# KiCad board nixie_clock_cpu.kicad_pcb (continued)
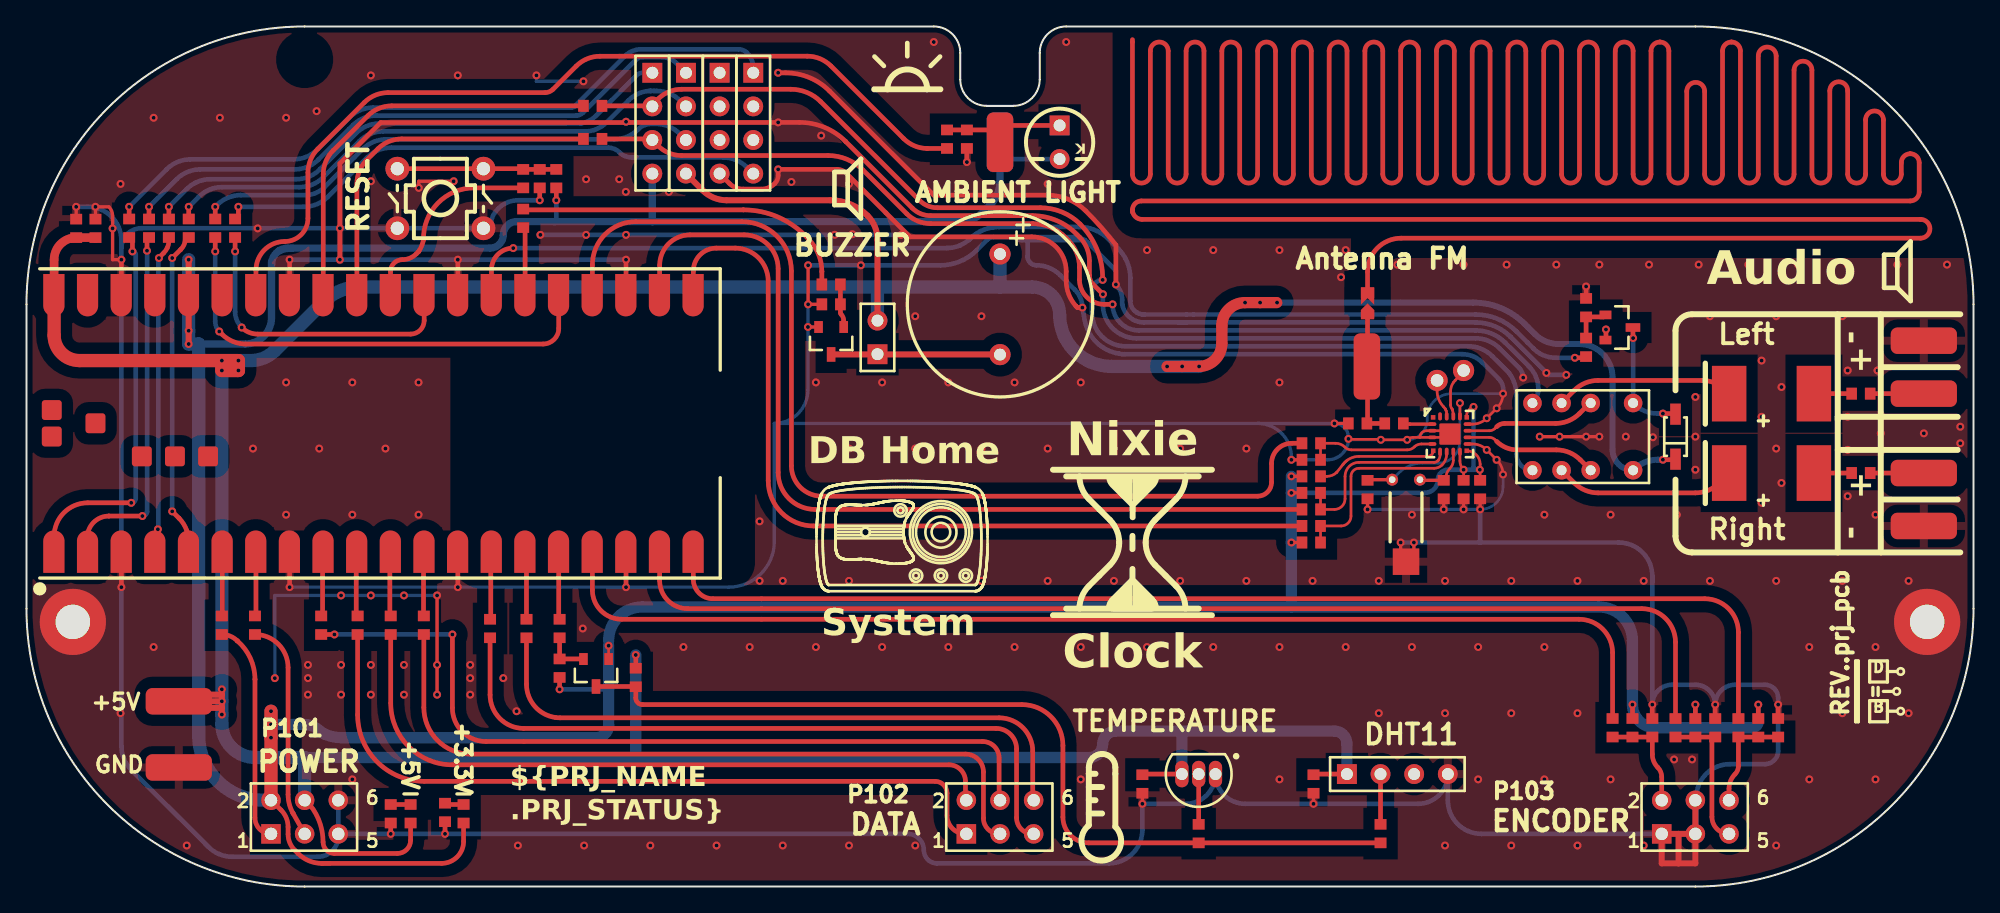
[diagram p0: board, top side]
## Routing (per net, layer and track width the routed paths; a pad name or vN(x,y) marks a point on that pad's centre or on a via; arc(x,y) is an arc through that point) (continued)
  Bottom Layer w0.35: 74.6,49.08 73.01,49.08 arc(72.75,49.03) 72.53,48.88 71.72,48.07 arc(70.48,47.24) 69.02,46.95 v1(63,46.95) v1(59.01,46.95) ; 74.6,49.08 79.07,49.08 arc(79.5,49.02) 79.89,48.85 ; 74.6,49.08 arc(74.85,48.91) 75.15,48.85 75.58,48.85 ; 87,42.63 109.41,42.63 arc(110.84,42.35) 112.06,41.53 114.75,38.84 v1(114.75,38.82) arc(114.79,38.71) 114.9,38.67 v1(116.25,38.67) ; 87,42.63 84.37,42.63 arc(83.29,43.03) 82.73,44.02 82.73,44.35 arc(82.6,44.97) v1(82.25,45.5) 82.25,46.56 80.2,48.61 arc(80.05,48.74) 79.9,48.85 ; 87,42.63 87.57,42.63 ; 75.58,48.85 79.89,48.85 ; 75.58,48.85 75.58,47.62 arc(75.77,47.15) 76.25,46.95 arc(77.22,46.76) 78.04,46.21 79.17,45.08 arc(79.58,44.47) v1(79.72,43.75) 79.9,42.79 arc(80.79,41.12) 82.49,40.27 82.74,40.23 108.41,40.23 arc(109.23,40.07) 109.92,39.61 111.14,38.38 arc(111.45,37.86) 111.48,37.25 v1(111.48,37.25) ; 79.89,48.85 79.9,48.85 ; 79.89,48.85 arc(79.89,48.85) 79.9,48.85 ; P101.5 23.54,3.79 arc(23.09,2.7) 22,2.25 15.53,2.25 arc(14.56,2.44) 13.74,2.99 7.91,8.82 arc(7.36,9.65) 7.17,10.62 v1(7.17,22.62) v1(7.17,47.38) 7.17,48.25 ; P101.5 v1(27.5,3.98) v1(31.6,3.98) 66.52,3.98 arc(67.39,3.62) 67.75,2.75 arc(68.04,2.04) 68.75,1.75 81.71,1.75 arc(83.51,2.49) 84.25,4.29 v1(84.25,6.25) 87.52,6.25 arc(89.11,6.91) U102.1 arc(90.43,6.91) 92.02,6.25 v1(97.17,6.25) 105.06,6.25 arc(106.65,6.91) P100.4 107.31,6.52 arc(108.05,4.72) 109.85,3.98 P103.1 P103.3 126.07,3.98 126.07,6.71 arc(126.81,8.51) 128.61,9.25 131.25,9.25 arc(131.96,9.54) 132.25,10.25 v1(132.25,13.75) 132.25,14.25 arc(131.96,14.96) 131.25,15.25 129,15.25 arc(127.94,14.81) v1(127.5,13.75) arc(127.06,14.81) 126,15.25 124.25,15.25 arc(123.19,14.81) v1(122.75,13.75) 122.75,23.46 ; P101.5 P101.6 ; 7.17,48.25 7.17,48.83 arc(6.42,50.63) 4.63,51.37 v1(3.75,51.37) ; 7.16,48.25 arc(7.6,49.31) 8.66,49.75 v1(23.66,49.75) S3.2 S3.1 34.8,49.75 34.89,49.82 arc(34.93,49.86) 34.97,49.9 35,49.96 35.02,50.02 arc(35.02,50.03) 35.03,50.05 arc(35.73,51.35) 37.12,51.87 v1(38.75,51.87) ; v1(81.27,44.76) 81.27,43.97 arc(82.02,42.18) 83.81,41.43 109.41,41.43 arc(110.38,41.24) 111.21,40.69 112.69,39.2 arc(112.92,38.86) v1(113,38.46) ; 122.75,23.46 122.75,23 ; 122.75,23.46 arc(122.01,25.26) 120.21,26 109.75,26 ; 109.75,26 v1(109.75,28.5) ; 109.75,26 v1(104.75,26) v1(103.75,26) ; v1(66.03,49.25) 66.03,49.25 v1(42.25,49.25) 38.8,49.25 v1(38.8,49.25) ; v1(19.87,47.38) v1(23.66,47.38) v1(32.57,47.38) v1(45.27,47.38)
  vias: v1(7.1,53.1) v1(7.1,13.1) v1(9.6,58.1) v1(9.6,18.1) v1(12.1,3.1) v1(14.6,58.1) v1(17.1,33.1) v1(17.46,49.74) v1(19.6,58.1) v1(19.6,38.1) v1(19.6,28.1) v1(21.25,16.75) v1(21.25,15.75) v1(21.25,14.5) v1(21.9,58.6) v1(22.1,33.1) v1(23.75,16.75) v1(23.75,14.5) v1(24.6,38.1) v1(24.6,28.1) v1(24.6,8.1) v1(26,61.3) v1(26,53.3) v1(26,16.75) v1(26,14.5) v1(27.1,33.1) v1(28.5,16.75) v1(28.5,14.5) v1(29.6,38.1) v1(29.6,28.1) v1(32.57,61.3) v1(33.5,16.75) v1(33.5,15.75) v1(33.5,14.5) v1(36,15.75) v1(37,13.25) v1(37.1,3.1) v1(38.5,61.3) v1(42,19.5) v1(42.1,3.1) v1(42.25,53.46) v1(44.75,53.46) v1(45.25,52.5) v1(45.27,49.25) v1(47.1,3.1) v1(48.5,52.5) v1(49.6,18.1) v1(52.1,3.1) v1(54.6,18.1) v1(55.35,27.6) v1(55.35,23.1) v1(57.1,23.1) v1(57.1,3.1) v1(57.75,53.25) v1(59.6,38.1) v1(59.6,18.1) v1(60,56.75) v1(61.02,49.26) v1(62.1,53.1) v1(62.1,33.1) v1(62.1,23.1) v1(62.1,3.1) v1(62.35,49.3) v1(64.6,38.1) v1(64.6,18.1) v1(67.1,43.1) v1(67.1,33.1) v1(67.1,23.1) v1(67.1,3.1) v1(68.5,63.83) v1(69.6,38.1) v1(69.6,18.1) v1(72.1,43.1) v1(72.1,33.1) v1(72.1,23.1) v1(74.6,38.1) v1(74.6,18.1) v1(77.1,53.1) v1(77.1,33.1) v1(77.1,23.1) v1(78.5,63.83) v1(79.6,38.1) v1(79.6,18.1) v1(79.6,8.1) v1(82.1,33.1) v1(82.1,23.1) v1(84.6,48.1) v1(84.6,18.1) v1(87.1,33.1) v1(87.1,23.1) v1(89.6,48.1) v1(89.6,18.1) v1(92.1,33.1) v1(92.1,23.1) v1(94.6,48.1) v1(94.6,38.1) v1(94.6,18.1) v1(94.6,8.1) v1(97.1,23.1) v1(99.25,46.05) v1(99.6,48.1) v1(99.6,18.1) v1(102.1,23.1) v1(102.1,13.1) v1(103.5,47) v1(104.6,28.1) v1(104.6,18.1) v1(107.1,23.1) v1(107.1,13.1) v1(107.1,3.1) v1(108.5,47) v1(109.6,18.1) v1(109.6,8.1) v1(111.75,47) v1(112.1,23.1) v1(112.1,13.1) v1(112.1,3.1) v1(114.6,28.1) v1(114.6,18.1) v1(114.6,8.1) v1(115.5,47) v1(117.1,23.1) v1(117.1,13.1) v1(117.1,3.1) v1(118.75,47) v1(119.6,28.1) v1(119.6,8.1) v1(120.75,34) v1(122.1,23.1) v1(122.1,3.1) v1(122.5,47) v1(122.79,33.95) v1(124.39,9.6) v1(124.6,28.1) v1(125.75,9.6) v1(126,37) v1(126,34) v1(126,31.5) v1(126.25,47) v1(127.1,43.1) v1(127.1,23.1) v1(130,47) v1(131,39.75) v1(131,35.5) v1(131,29) v1(132.1,43.1) v1(132.1,33.1) v1(132.1,23.1) v1(132.1,3.1) v1(132.5,37.75) v1(132.5,30.5) v1(133.75,47) v1(134.6,18.1) v1(134.6,8.1) v1(137.1,43.1) v1(137.1,23.1) v1(137.1,13.1) v1(137.5,47) v1(137.5,39) v1(137.5,35.5) v1(137.5,33) v1(137.5,29.5) v1(139.6,28.1) v1(139.6,18.1) v1(139.6,8.1) v1(139.75,39) v1(140,34.25) v1(141.25,47) v1(142.1,23.1) v1(142.1,13.1) v1(143.25,34.25) v1(145,47) v1(146,34.75) v1(146,33.5)
1WIRE_SENSOR: length 3.4
  Top Layer w0.35: R105.2 R128.2 42.05,17.2 Q1.2
A: length 8
  Top Layer w0.35: C106.2 R116.2 R110.2 129.25,9.1 arc(129.19,8.78) 129,8.5 arc(128.66,7.99) 128.54,7.39 P103.6
AMB_LIGHT: length 9.5
  Top Layer w0.35: R107.1 R134.1 72.7,57.18 73.5,56.38 NOREF#7.amb ; 73,57.52 D100.2
B: length 8
  Top Layer w0.35: R112.2 R115.2 C105.2 122.75,10 arc(122.86,9.46) 123.16,9 arc(123.38,8.67) 123.46,8.28 P103.2
BACK_LIGHT_DATA: length 17
  Top Layer w0.35: P101.1 arc(17.6,4.33) 17.25,5.19 17.25,15.66 arc(16.9,17.25) 15.92,18.56 arc(15.92,18.57) 15.91,18.57 15.91,18.57 arc(15.38,18.93) R100.2
BUZZER: length 25.7
  Top Layer w0.35: R130.1 60.05,46.48 arc(59.79,47.81) 59.04,48.93 arc(59.04,48.93) 59.03,48.94 arc(56.81,50.56) 54.12,51.14 37.64,51.14
FM_ANTENNA: length 638.8
  Top Layer w0.35: 83.5,64 83.5,53.84 arc(84.18,53.16) 84.85,53.84 84.85,63.15 arc(85.52,63.82) 86.2,63.15 86.2,53.84 arc(86.87,53.16) 87.55,53.84 87.55,63.15 arc(88.22,63.82) 88.9,63.15 88.9,53.84 arc(89.58,53.16) 90.25,53.84 90.25,63.15 arc(90.92,63.82) 91.6,63.15 91.6,53.84 arc(92.27,53.16) 92.95,53.84 92.95,63.15 arc(93.62,63.82) 94.3,63.15 94.3,53.84 arc(94.97,53.16) 95.65,53.84 95.65,63.15 arc(96.32,63.82) 97,63.15 97,53.84 arc(97.67,53.16) 98.35,53.84 98.35,63.15 arc(99.02,63.82) 99.7,63.15 99.7,53.84 arc(100.37,53.16) 101.05,53.84 101.05,63.15 arc(101.72,63.82) 102.4,63.15 102.4,53.84 arc(103.07,53.16) 103.75,53.84 103.75,63.15 arc(104.42,63.82) 105.1,63.15 105.1,53.84 arc(105.77,53.16) 106.45,53.84 106.45,63.15 arc(107.12,63.82) 107.8,63.15 107.8,53.84 arc(108.47,53.16) 109.15,53.84 109.15,63.15 arc(109.82,63.82) 110.5,63.15 110.5,53.84 arc(111.17,53.16) 111.85,53.84 111.85,63.15 arc(112.52,63.82) 113.2,63.15 113.2,53.84 arc(113.87,53.16) 114.55,53.84 114.55,63.15 arc(115.22,63.82) 115.9,63.15 115.9,53.84 arc(116.57,53.16) 117.25,53.84 117.25,63.15 arc(117.92,63.82) 118.6,63.15 118.6,53.84 arc(119.27,53.16) 119.95,53.84 119.95,63.15 arc(120.62,63.82) 121.3,63.15 121.3,53.84 arc(121.97,53.16) 122.65,53.84 122.65,63.15 arc(122.85,63.63) 123.32,63.82 arc(123.8,63.63) 124,63.15 124,53.84 arc(124.67,53.16) 125.35,53.84 125.35,60.1 arc(126.02,60.78) 126.7,60.1 126.7,53.84 arc(127.37,53.16) 128.05,53.84 128.05,63.15 arc(128.25,63.63) 128.72,63.82 arc(129.2,63.63) 129.4,63.15 129.4,53.84 arc(130.07,53.16) 130.75,53.84 130.75,62.77 arc(131.42,63.45) 132.1,62.77 132.1,53.84 arc(132.77,53.16) 133.45,53.84 133.45,61.7 arc(134.12,62.38) 134.8,61.7 134.8,53.84 ; JP100.2 101.25,46.46 arc(101.99,48.26) 103.79,49 143,49 arc(143.71,49.71) 143,50.42 84.22,50.42 arc(83.71,50.63) 83.5,51.14 ; 83.5,50.96 83.5,51.14 ; 83.5,51.14 arc(83.7,51.61) 84.17,51.81 142.22,51.81 arc(142.7,52.01) 142.9,52.49 142.9,54.71 arc(142.7,55.18) 142.22,55.38 arc(141.75,55.18) 141.55,54.71 141.55,53.84 arc(140.87,53.16) 140.2,53.84 140.2,57.94 arc(139.52,58.61) 138.85,57.94 138.85,53.84 arc(138.17,53.16) 137.5,53.84 137.5,60.15 arc(136.82,60.82) 136.15,60.15 136.15,53.84 arc(135.47,53.16) 134.8,53.84
FRONT_LIGHT_DATA: length 16.8
  Top Layer w0.35: P101.3 20.99,4 20.12,5.54 arc(19.84,6.22) 19.75,6.95 19.75,16.55 arc(19.02,18.32) R101.2
GP0: length 53.8
  Top Layer w0.35: R139.2 v1(7.75,51.37)
  Bottom Layer w0.35: 21.95,55.7 24.38,58.13 arc(25.2,58.68) 26.18,58.87 41.14,58.87 arc(41.27,58.9) 41.39,58.97 45.17,62.76 arc(45.74,63.14) 46.42,63.28 53.76,63.28 arc(54.1,63.21) 54.4,63.01 arc(54.64,62.7) 54.8,62.35 arc(54.85,62.11) 54.87,61.87 P108.1 ; v1(7.75,51.37) 10.59,54.21 arc(11.42,54.76) 12.39,54.96 20.16,54.96 arc(21.13,55.15) 21.95,55.7
GP1: length 46.2
  Top Layer w0.35: R140.2 v1(9.25,51.37)
  Bottom Layer w0.35: v1(9.25,51.37) 11.34,53.46 arc(12.16,54.01) 13.13,54.2 20.25,54.2 arc(21.22,54.39) 22.05,54.94 24.63,57.53 arc(25.45,58.08) 26.42,58.27 41.55,58.27 arc(41.57,58.27) 41.59,58.27 arc(41.81,58.34) 42,58.47 45.99,62.46 arc(46.22,62.62) 46.5,62.68 48,62.68 arc(48.57,62.56) 49.05,62.24 P107.1
GP2: length 41.2
  Top Layer w0.35: R141.2 v1(10.75,51.37)
  Bottom Layer w0.35: P106.1 46.53,61.5 arc(46.27,61.45) 46.05,61.3 43.02,58.27 arc(42.5,57.89) 41.89,57.67 arc(41.86,57.67) 41.83,57.67 26.67,57.67 arc(25.7,57.48) 24.88,56.93 22.2,54.25 22.15,54.2 arc(21.33,53.65) 20.35,53.46 13.89,53.46 arc(12.92,53.26) 12.09,52.71 v1(10.75,51.37)
GP3: length 41.9
  Top Layer w0.35: R142.2 v1(12.25,51.37)
  Bottom Layer w0.35: v1(12.25,51.37) 13.02,52.14 arc(13.81,52.67) 14.75,52.86 20.6,52.86 arc(21.58,53.05) 22.4,53.6 22.44,53.64 25.12,56.33 arc(25.95,56.88) 26.92,57.07 42.18,57.07 arc(43.04,57.24) 43.76,57.72 45.47,59.43 arc(46.16,59.91) 46.99,60.13 47.08,60.13 arc(47.1,60.13) 47.12,60.13 arc(47.14,60.13) 47.17,60.13 arc(47.17,60.13) 47.17,60.13 arc(47.28,60.13) 47.38,60.13 arc(47.4,60.13) 47.42,60.13 47.57,60.13 arc(48.54,59.93) 49.37,59.38 P107.2
GP19: length 38.3
  Top Layer w0.35: R144.1 v1(14.25,51.37)
  Bottom Layer w0.35: v1(14.25,51.37) 14.39,51.51 arc(15.22,52.06) 16.19,52.26 21.06,52.26 arc(21.84,52.41) 22.5,52.86 25.37,55.73 arc(26.2,56.28) 27.17,56.47 44.37,56.47 arc(45.34,56.66) 46.17,57.21 arc(46.44,57.43) 46.75,57.57 arc(46.97,57.62) 47.19,57.64 47.52,57.64 arc(48.49,57.45) 49.32,56.89
GP22: length 42.1
  Top Layer w0.35: R143.1 15.78,50.45 16,50.67 v1(16,51.37)
  Bottom Layer w0.35: v1(16,51.37) 20.95,51.37 arc(21.92,51.56) 22.74,52.11 25.73,55.1 arc(26.55,55.65) 27.52,55.84 43.93,55.84 arc(44.37,55.75) 44.75,55.5 arc(45.19,55.2) 45.72,55.1 52.6,55.1 arc(53.57,54.91) 54.4,54.35 P108.4
HV_ENABLE: length 62.1
  Top Layer w0.35: R114.2 v1(23.25,19.05) ; 73.43,6.52 73.43,9.71 arc(73.07,10.59) 72.19,10.96 34.7,10.96 arc(32.9,11.7) 32.16,13.5 v1(32.16,19.05)
  Bottom Layer w0.35: v1(23.25,19.05) v1(32.16,19.05)
LA: length 4
  Top Layer w0.35: L101.2 J102.1
LOUT: length 9.9
  Top Layer w0.2: U101.14 110.44,34.45 arc(110.68,34.49) 110.88,34.63 111,34.75
  Top Layer w0.35: 118,36.5 117.24,35.74 arc(116.42,35.19) 115.45,35 111.6,35 arc(111.28,34.94) 111,34.75
NetBUZ1_2: length 12.8
  Top Layer w0.45: BUZ1.2 73.5,40.21 Q100.3
NetC104_1: length 2.2
  Top Layer w0.25: U101.2 103.91,34.95
NetC104_2: length 7.6
  Top Layer w0.35: 101.25,37.25 101.25,35.12 arc(101.24,35.06) L100.1 C104.2 ; JP100.1 101.25,39.36 arc(101.24,39.32) J100.1
NetC108_1: length 13.6
  Top Layer w0.35: C108.1 128.29,37.51 arc(127.47,38.06) 126.5,38.25 118.66,38.25 arc(117.69,38.06) 116.87,37.51 U103.3
NetC108_2: length 2.9
  Top Layer w0.35: C108.2 L101.1
NetC109_1: length 13.8
  Top Layer w0.35: C109.1 127.79,30.49 arc(126.97,29.94) 126,29.75 118.66,29.75 arc(117.69,29.94) 116.87,30.49 U103.6
NetC109_2: length 2.9
  Top Layer w0.35: C109.2 L102.1
NetC110_2: length 4.3
  Top Layer w0.2: 107.16,30.7 107.16,30.84 arc(107.24,31.26) 107.48,31.61 arc(107.66,31.89) 107.72,32.21 U101.9
  Top Layer w0.25: 107.16,30.7 105.26,30.7 arc(105.22,30.71) Y100.1
NetC111_2: length 12.3
  Top Layer w0.2: U101.17 v1(108.23,36.54)
  Top Layer w0.25: 101.21,30.75 Y100.2
  Bottom Layer w0.2: Y100.2 103.61,31.26 arc(104.44,31.81) 105.41,32 106.56,32 arc(107.74,32.49) 108.23,33.66 v1(108.23,36.54)
NetD101_2: length 9.2
  Top Layer w0.35: v1(123.55,35.74) 124.39,35.74 arc(124.45,35.73) D101.2 ; v1(121.3,41.45) 121.29,41.45 Q101.3
  Bottom Layer w0.35: v1(123.55,35.74) 123.15,35.74 arc(122.18,35.94) 121.35,36.49 U103.1 v1(121.3,41.45)
NetD102_1: length 1.5
  Top Layer w0.35: R137.2 D102.1
NetD103_1: length 1.4
  Top Layer w0.35: D103.1 31.84,6.2 arc(31.71,6.23) R138.2
NetP100_2: length 3.8
  Top Layer w0.35: R126.1 P100.2
NetQ1_3: length 68.7
  Top Layer w0.35: Q1.3 46,15.12 R129.2 46,14.25 arc(46.15,13.9) 46.5,13.75 75.15,13.75 arc(77.34,12.84) 78.25,10.65 78.25,5.25 arc(78.82,3.87) 80.2,3.3 R126.2
NetQ100_1: length 3.3
  Top Layer w0.35: Q100.1 61.7,42.77 arc(61.65,43.03) 61.5,43.25 arc(61.46,43.31) 61.45,43.37 R131.2 R130.2
NetQ101_1: length 3.1
  Top Layer w0.35: R135.2 R136.2 119.06,43.05 arc(119.17,43.09) Q101.1
NetR100_1: length 4.9
  Top Layer w0.35: U100.6 14.79,20.48 arc(14.77,20.46) R100.1
NetR101_1: length 4.9
  Top Layer w0.35: U100.7 17.33,20.52 arc(17.3,20.47) R101.1
NetR102_2: length 5
  Top Layer w0.35: 37.64,44.74 37.64,49.74
NetR103_2: length 15.4
  Top Layer w0.35: U100.30 27.49,46.49 arc(27.75,47.11) 28.38,47.38 arc(28.95,47.49) 29.43,47.81 29.62,48 arc(29.84,48.42) 29.98,48.88 arc(31.05,51.64) 33.79,52.8 R103.2
NetR104_1: length 4.9
  Top Layer w0.35: 24.9,25.31 24.9,20.55 arc(24.93,20.48) R104.1
NetR105_1: length 5.1
  Top Layer w0.35: U100.16 40.19,20.26 arc(40.2,20.22) R105.1
NetR106_1: length 4.9
  Top Layer w0.35: 27.44,25.31 27.44,20.51 arc(27.45,20.47) R106.1
NetR107_2: length 66.3
  Top Layer w0.35: 44.75,62.75 43.3,62.75 arc(42.33,62.56) 41.51,62.01 39.75,60.25 arc(39.47,60.06) 39.15,60 27.3,60 arc(26.33,59.81) 25.51,59.26 21.99,55.74 arc(21.44,54.92) 21.25,53.95 21.25,50.5 arc(20.74,49.26) 19.5,48.75 arc(17.96,48.11) 17.33,46.58 U100.34 ; 44.75,62.76 58.94,62.76 arc(59.91,62.56) 60.74,62.01 66.23,56.52 arc(67.03,55.98) 67.97,55.78 arc(68,55.78) 68.02,55.78 R107.2
NetR108_1: length 4.9
  Top Layer w0.35: 29.98,25.31 29.98,20.47 arc(29.98,20.46) R108.1
NetR109_1: length 87.3
  Top Layer w0.35: U100.19 47.81,23.12 arc(48.43,21.62) 49.92,21 121.96,21 arc(123.76,20.26) 124.5,18.46 R109.1
NetR110_1: length 89.8
  Top Layer w0.35: R110.1 129.25,19.21 arc(128.51,21.01) 126.71,21.75 51.82,21.75 arc(50.78,22.18) 50.35,23.23 U100.20
NetR111_1: length 5.1
  Top Layer w0.35: 35.06,25.31 35.06,20.25 arc(35.04,20.22) R111.1
NetR112_1: length 87.6
  Top Layer w0.35: R112.1 119.75,17.66 arc(119.01,19.46) 117.21,20.2 55.5,20.2 44.94,20.2 arc(43.37,20.85) 42.73,22.41 U100.17
NetR113_1: length 5.2
  Top Layer w0.35: U100.15 37.75,25.21 R113.1
NetR114_1: length 4.9
  Top Layer w0.35: 22.36,25.31 22.36,20.55 arc(22.32,20.48) R114.1
NetR118_2: length 15.4
  Top Layer w0.2: U101.8 107.23,32.71 arc(107.13,32.25) 106.87,31.86 arc(106.6,31.67) 106.28,31.61 100.61,31.61 arc(100.18,31.43) 100,31 100,28 arc(99.78,27.47) 99.25,27.25 R124.1 97.7,26 R118.2
NetR119_2: length 13.6
  Top Layer w0.2: R123.1 98.75,28.5 arc(99.32,28.73) 99.55,29.3 99.55,31 arc(99.86,31.75) 100.61,32.06 106.28,32.06 arc(106.43,32.09) 106.55,32.17 arc(106.57,32.19) 106.59,32.22 arc(106.6,32.22) 106.6,32.23 arc(106.69,32.42) 106.72,32.63 U101.7 ; 97.7,28.5 R119.2
NetR120_2: length 9.8
  Top Layer w0.2: 99.39,31.9 98.93,31.31 arc(98.59,31.08) 98.18,31 R120.2 ; 99.39,31.9 arc(99.93,32.35) 100.61,32.51 105.79,32.51 arc(106.09,32.63) U101.6 ; 99.39,31.9 arc(99.54,32.07) 99.71,32.22
NetR121_2: length 9.9
  Top Layer w0.2: U101.5 105.32,33.45 arc(105.02,33.39) 104.78,33.22 arc(104.53,33.06) 104.24,33 100.04,33 arc(99.77,33.05) 99.55,33.2 arc(99.22,33.42) 98.83,33.5 R122.1 R121.2
NetR125_1: length 3.9
  Top Layer w0.35: R125.1 U102.2
  Bottom Layer w0.35: U102.2 arc(88.44,8.53) 88.41,8.59 arc(88.41,8.59) 88.41,8.59
NetR132_2: length 31.3
  Top Layer w0.35: R132.2 27.58,59 arc(26.6,58.81) 25.78,58.26 23.15,55.62 arc(22.6,54.8) 22.41,53.83 U100.32
NetR133_2: length 27.3
  Top Layer w0.35: R133.2 28.33,56.5 arc(27.36,56.31) 26.54,55.76 25.69,54.91 ; U100.31 24.95,53.11 arc(25.14,54.08) 25.69,54.91
NetR139_1: length 28.8
  Top Layer w0.35: U100.1 2.09,26.46 arc(2.83,28.26) 4.63,29 v1(7.91,29) ; v1(8,48) 8,49.05
  Bottom Layer w0.35: v1(8,48) arc(8.18,47.93) 8.25,47.75 8.25,29.34 arc(8.15,29.1) v1(7.91,29)
NetR140_1: length 27.7
  Top Layer w0.35: v1(9.1,48.05) 9.1,48.85 9.52,49.14 ; U100.2 4.6,26.28 arc(5.04,27.49) 6.22,28 v1(8.75,28)
  Bottom Layer w0.35: v1(9.1,48.05) 9.11,48 9.11,28.36 arc(9,28.1) v1(8.75,28)
NetR141_1: length 24.1
  Top Layer w0.35: v1(9.92,27) 9.92,25.53 U100.4 ; 10.75,49 10.75,48.82 arc(10.72,48.53) 10.62,48.25 arc(10.51,48.06) 10.36,47.89 10,47.53 v1(10,47.5)
  Bottom Layer w0.35: v1(9.92,27) 9.96,27.04 9.96,47.46 v1(10,47.5)
NetR142_1: length 24.5
  Top Layer w0.35: v1(11,47.5) 11.65,48.15 arc(11.91,48.54) 12,49 ; v1(11,28.36) 11.5,27.85 arc(11.52,27.84) 11.53,27.82 arc(11.87,27.39) 12.1,26.9 arc(12.21,26.48) 12.25,26.06 U100.5
  Bottom Layer w0.35: v1(11,28.36) v1(11,47.5)
NetR143_2: length 23.3
  Top Layer w0.35: v1(15.75,48) R143.2 ; U100.29 30.03,42.78 arc(29.72,42.05) 29,41.75 17.46,41.75 arc(16.8,41.88) v1(16.25,42.25)
  Bottom Layer w0.35: v1(15.75,48) 15.75,43.46 arc(15.88,42.8) v1(16.25,42.25)
NetR144_2: length 36.3
  Top Layer w0.35: v1(14.25,48) R144.2 ; v1(14.55,41.95) 14.76,41.74 ; U100.25 40.19,42.19 arc(39.84,41.35) 39,41 16.55,41 arc(15.58,41.19) 14.76,41.74
  Bottom Layer w0.35: v1(14.25,48) 14.25,42.68 arc(14.33,42.28) v1(14.55,41.95)
NetTP100_1: length 3.8
  Top Layer w0.2: TP100.1 107.86,38.25 arc(107.8,38.18) 107.74,38.1 arc(107.57,37.78) 107.52,37.42 107.52,36.4 arc(107.52,36.4) 107.52,36.4 arc(107.54,36.25) 107.62,36.11 arc(107.64,36.08) 107.65,36.04 107.66,36.04 arc(107.69,35.87) 107.72,35.69 U101.18
NetTP101_1: length 2.9
  Top Layer w0.2: TP101.1 106.5,37.46 arc(106.63,36.8) 107,36.25 arc(107.06,36.18) 107.11,36.11 arc(107.12,36.1) 107.13,36.08 arc(107.15,36.02) 107.18,35.97 arc(107.18,35.95) 107.19,35.93 arc(107.22,35.82) 107.23,35.71 U101.19
nRESET: length 12.1
  Top Layer w0.35: S3.4 37.5,54.25 37.55,54.2 38.7,54.2 38.75,54.25 38.8,54.2 39.95,54.2 40,54.25
RA: length 4
  Top Layer w0.35: L102.2 J103.1
RADIO_SW: length 91.6
  Top Layer w0.35: v1(116.9,39.96) 117.7,39.96 ; U100.27 35.11,46.61 arc(35.59,47.77) v1(36.75,48.25)
  Bottom Layer w0.35: 87.57,43.23 84.37,43.23 arc(84.29,43.23) 84.21,43.24 arc(84.01,43.3) 83.82,43.39 arc(83.47,43.76) 83.34,44.26 83.34,45.99 arc(83.25,46.75) 82.97,47.47 arc(82.72,47.86) 82.42,48.21 81.7,48.93 arc(80.68,49.61) 79.48,49.85 73.42,49.85 arc(73.21,49.84) 73,49.82 arc(72.51,49.72) 72.04,49.53 arc(71.6,49.27) 71.2,48.93 ; v1(36.75,48.25) 69.48,48.25 arc(69.98,48.3) 70.46,48.45 arc(70.81,48.62) 71.12,48.85 arc(71.13,48.86) 71.14,48.87 71.2,48.93 ; 87.57,43.23 109.42,43.23 arc(111.08,42.9) 112.48,41.96 113.79,40.65 arc(114.55,40.14) 115.45,39.96 v1(116.9,39.96) ; 71.2,48.93 arc(71.28,49.01) 71.36,49.08
Raw_LOUT: length 81.3
  Top Layer w0.35: R133.1 47.17,56.5 arc(47.23,56.48) P106.3 47.69,55.98 arc(48.5,55.43) 49.46,55.25 60.53,55.25 arc(61.94,54.96) 63.14,54.16 66.46,50.84 arc(67.28,50.29) 68.25,50.1 75.96,50.1 arc(77.34,49.81) 78.5,49 78.65,48.85 arc(79.28,47.91) 79.5,46.81 79.5,45.87 arc(80.05,44.55) 81.37,44 v1(82,44)
  Bottom Layer w0.35: U103.4 113.7,36.54 arc(114.03,37.03) 114.14,37.61 arc(114.14,37.77) 114.12,37.93 arc(113.9,38.67) 113.45,39.3 111.63,41.11 arc(110.61,41.79) 109.41,42.03 83.97,42.03 arc(82.58,42.61) v1(82,44)
Raw_ROUT: length 89.8
  Top Layer w0.35: v1(81.25,45.85) 81.25,45.96 arc(80.81,48.18) 79.55,50.06 arc(78.18,50.98) 76.55,51.3 68.76,51.3 arc(68.04,51.44) 67.43,51.85 59.97,59.32 arc(58.93,60.01) 57.7,60.26 49.46,60.26 arc(48.5,60.07) 47.69,59.52 47.25,59.08 arc(47.23,59.02) 47.17,59 R132.1
  Bottom Layer w0.35: 111.93,38.82 110.66,40.09 arc(109.84,40.64) 108.87,40.83 82.98,40.83 arc(81.19,41.58) 80.44,43.37 80.44,45.04 arc(80.68,45.61) v1(81.25,45.85) ; U103.5 arc(112.85,31.81) 112.5,32.66 112.5,37.09 arc(112.35,38) 111.93,38.82
ROUT: length 10.1
  Top Layer w0.2: U101.13 110.44,33.95 arc(110.68,33.9) 110.88,33.76 111,33.64
  Top Layer w0.35: U103.7 117.3,32.26 arc(116.48,32.81) 115.51,33 112.55,33 arc(111.71,33.17) 111,33.64
SCLK: length 70.7
  Top Layer w0.35: U100.22 47.81,46.95 arc(48.48,48.58) 50.1,49.25 54.19,49.25 arc(56,48.5) 56.75,46.69 56.75,31.29 arc(57.57,29.32) 59.54,28.5 R123.2 96.5,28.5
SDIO: length 67.2
  Top Layer w0.35: R124.2 59.43,27.25 arc(57,28.25) 56,30.68 56,45.75 arc(55.27,47.52) 53.5,48.25 52.09,48.25 arc(50.85,47.74) 50.35,46.51 U100.21
SIPO_CLK: length 48.3
  Top Layer w0.35: 75.97,6.52 75.97,10.21 arc(75.23,12.01) 73.43,12.75 40.29,12.75 arc(40.12,12.76) 39.95,12.77 arc(38.38,13.62) 37.75,15.29 R113.2
SIPO_CLR: length 53.4
  Top Layer w0.35: R106.2 27.5,13.86 arc(28.86,10.56) 32.16,9.2 69.64,9.2 arc(70.53,8.83) 70.89,7.95 70.89,6.52
SIPO_DATA: length 53.5
  Top Layer w0.35: R111.2 35,14.49 arc(35.74,12.69) 37.54,11.95 73.2,11.95 arc(74.3,11.5) 74.75,10.4 74.75,5.2 arc(75.11,4.34) 75.97,3.98
SIPO_OE: length 55.9
  Top Layer w0.35: R108.2 30,13.53 arc(31.03,11.04) 33.52,10.01 70.89,10.01 arc(71.85,9.61) 72.25,8.65 72.25,5.16 arc(72.6,4.33) 73.43,3.98
SIPO_RCLK: length 57.8
  Top Layer w0.35: R104.2 25,12.98 arc(26.47,9.42) 30.03,7.95 68.6,7.95 arc(69.24,7.69) 69.5,7.05 69.5,5.37 arc(69.91,4.39) 70.89,3.98
SWITCH0: length 11.2
  Top Layer w0.35: R109.2 R117.2 C107.2 arc(127.32,11.23) 127.25,11.05 127.25,5.27 arc(127.63,4.36) P103.5
~{RST}: length 78.8
  Top Layer w0.35: U100.24 42.73,46.97 arc(43.68,49.29) 46,50.25 54.01,50.25 arc(56.65,49.15) 57.75,46.51 57.75,31.8 arc(58.42,30.17) 60.05,29.5 92.95,29.5 arc(93.69,29.81) 94,30.55 94,31.97 arc(94.45,33.05) 95.54,33.5 R122.2

## Copper pours and planes (outline as drawn; the poured copper is in the pictures)
GND on Top Layer: 0,44 6.15,58.85 21,65 126,65 140.85,58.85 147,44 147,21 140.85,6.15 126,0 21,0 6.15,6.15 0,21
GND on Bottom Layer: 0,44 6.15,58.85 21,65 126,65 140.85,58.85 147,44 147,21 140.85,6.15 126,0 21,0 6.15,6.15 0,21

## Text on the board
Note Bottom: ${LAYER}
Bottom Overlay: REV..prj_pcb | System | DB Home | Clock | Nixie | ${PRJ_NAME / .PRJ_STATUS} | D | B
PCB_Note: DOC-104 REV A | ${PCB_CHECKER_APP_DATE} | ${PRJ_DATE} | ${PCB_DESIGNER_APP_DATE} | ${PCB_ENGINEER_APP_DATE} | 2 DEC. PLACE | 3 DEC. PLACE | ANGLES | THIRD ANGLE PROJECTION | PART NO. | PRINT DATE: | UNLESS OTHERWISE SPECIFIED DIMENSIONS | MATERIAL: | AND TOLERANCE ARE IN INCHES AND | APPLY TO THE FINISHED PART | TOLERANCE ON: | BOARD: | STATUS: | VARIANT: | DESIGNER: | ENGINEER: | CHECKER: | BOM: | ASSY DWG: | FAB DWG: | SCHEMATIC: | REFERENCE DOCUMENTS | DATE | TITLE: | LICENSE: | LAYER: | SCALE: | SIZE: | CAGE CODE: | FILE NAME: | DWG NO: | ${PCB_ORGANIZATION} | ${PCB_ADDRESS1} | ${PCB_ADDRESS2} | ${PCB_ADDRESS3} - ${PCB_ADDRESS4} | SHEET: | OF | REV: | ${PRJ_PART_NUMBER} | PROJECT | APPROVALS | A | B | C | D | E | F | G | H | 1 | 2 | 3 | 4 | 5 | 6 | 7 | 8 | 9 | 10 | 11 | 12 | 13 | 14 | 15 | 16 | .prj_name | ${VARIANTNAME} | ${PCB_DESIGNER} | ${PCB_ENGINEER} | ${PCB_CHECKER} | ${PCB_DWG_NO} | ${PRJ_PCB} | ${CURRENT_DATE}, ${PRINT_TIME} | SEE NOTES | ${PCB_3_DEC_TOL} | ${PCB_ANG_TOL} | ${PCB_FILE_NAME_NO_PATH} | -  ${PRJ_STATUS} - | T | R | I | S | W | O | V | L | U | Y | M | N | X | P | ${} | ${PCB_2_DEC_TOL} | ${DOC_NO_BOM} | ${DOC_NO_ASSY_DWG} | ${DOC_NO_FAB_DWG} | ${DOC_NO_SCH_DWG} | ${PCB_SCALE} | ZONE | REV | DESCRIPTION | ORIGINAL | REVISIONS | APPROVED | ${PRJ_NAME_LONG} | ${PCB_TITLE1} | ${PCB_TITLE2} | ${PRJ_LICENSE} | ${CAGE_CODE} | A3 | PCB Build Notes: | Other Notes: | DWG. NO. | 1. Layers: ${PCB_LAYER_COUNT} / 2. Base Material: ${PCB_MATERIAL} / 3. Plating Finish: ${PCB_FINISH} / 4. Silkscreen Color: .${PCB_SILKSCREEN_COLOR} / 5. Solder Color: ${PCB_SOLDER_COLOR}
Drawing: ${LAYER}
Note Top: ${LAYER}
Top Overlay: REV..prj_pcb | TEMPERATURE | DHT11 | Right | Left | DB Home | System | Clock | Nixie | Audio | ${PRJ_NAME / .PRJ_STATUS} | D | B
Top TitleBlock: DOC-104 REV A | ${PCB_CHECKER_APP_DATE} | ${PRJ_DATE} | ${PCB_DESIGNER_APP_DATE} | ${PCB_ENGINEER_APP_DATE} | 2 DEC. PLACE | 3 DEC. PLACE | ANGLES | THIRD ANGLE PROJECTION | PART NO. | PRINT DATE: | UNLESS OTHERWISE SPECIFIED DIMENSIONS | MATERIAL: | AND TOLERANCE ARE IN INCHES AND | APPLY TO THE FINISHED PART | TOLERANCE ON: | BOARD: | STATUS: | VARIANT: | DESIGNER: | ENGINEER: | CHECKER: | BOM: | ASSY DWG: | FAB DWG: | SCHEMATIC: | REFERENCE DOCUMENTS | DATE | TITLE: | LICENSE: | LAYER: | SCALE: | SIZE: | CAGE CODE: | FILE NAME: | DWG NO: | ${PCB_ORGANIZATION} | ${PCB_ADDRESS1} | ${PCB_ADDRESS2} | ${PCB_ADDRESS3} - ${PCB_ADDRESS4} | SHEET: | OF | REV: | ${PRJ_PART_NUMBER} | PROJECT | APPROVALS | A | B | C | D | E | F | G | H | 1 | 2 | 3 | 4 | 5 | 6 | 7 | 8 | 9 | 10 | 11 | 12 | 13 | 14 | 15 | 16 | .prj_name | ${VARIANTNAME} | ${PCB_DESIGNER} | ${PCB_ENGINEER} | ${PCB_CHECKER} | ${PCB_DWG_NO} | ${PRJ_PCB} | ${CURRENT_DATE}, ${PRINT_TIME} | SEE NOTES | ${PCB_3_DEC_TOL} | ${PCB_ANG_TOL} | ${PCB_FILE_NAME_NO_PATH} | -  ${PRJ_STATUS} - | T | R | I | S | W | O | V | L | U | Y | M | N | X | P | ${} | ${PCB_2_DEC_TOL} | ${DOC_NO_BOM} | ${DOC_NO_ASSY_DWG} | ${DOC_NO_FAB_DWG} | ${DOC_NO_SCH_DWG} | ${PCB_SCALE} | ZONE | REV | DESCRIPTION | ORIGINAL | REVISIONS | APPROVED | ${PRJ_NAME_LONG} | ${PCB_TITLE1} | ${PCB_TITLE2} | ${PRJ_LICENSE} | ${CAGE_CODE} | A3 | DWG. NO.
Bottom TitleBlock: DOC-104 REV A | ${PRJ_DATE} | ${PCB_DESIGNER_APP_DATE} | ${PCB_ENGINEER_APP_DATE} | ${PCB_CHECKER_APP_DATE} | ANGLES | 3 DEC. PLACE | 2 DEC. PLACE | THIRD ANGLE PROJECTION | REV: | OF | SHEET: | ${PCB_ORGANIZATION} | ${PCB_ADDRESS1} | ${PCB_ADDRESS2} | ${PCB_ADDRESS3} - ${PCB_ADDRESS4} | DWG NO: | FILE NAME: | CAGE CODE: | SIZE: | TITLE: | LICENSE: | LAYER: | SCALE: | DATE | REFERENCE DOCUMENTS | PROJECT | APPROVALS | BOARD: | STATUS: | VARIANT: | DESIGNER: | ENGINEER: | CHECKER: | BOM: | ASSY DWG: | FAB DWG: | SCHEMATIC: | TOLERANCE ON: | ${PRJ_PART_NUMBER} | APPLY TO THE FINISHED PART | AND TOLERANCE ARE IN INCHES AND | UNLESS OTHERWISE SPECIFIED DIMENSIONS | MATERIAL: | PRINT DATE: | PART NO. | A | B | C | D | E | F | G | 16 | 15 | 14 | 13 | 12 | 11 | 10 | 9 | 8 | 7 | 6 | 5 | 4 | 3 | 2 | 1 | H | .prj_name | ${VARIANTNAME} | ${PCB_DESIGNER} | ${PCB_ENGINEER} | ${PCB_CHECKER} | ${PRJ_PCB} | ${PCB_DWG_NO} | ${PCB_FILE_NAME_NO_PATH} | ${PCB_SCALE} | ${DOC_NO_BOM} | ${DOC_NO_ASSY_DWG} | ${DOC_NO_FAB_DWG} | ${DOC_NO_SCH_DWG} | ${PCB_ANG_TOL} | ${PCB_3_DEC_TOL} | SEE NOTES | ${CURRENT_DATE}, ${PRINT_TIME} | ${PCB_2_DEC_TOL} | Y | ${} | M | R | N | O | V | I | S | T | L | U | W | P | X | -  ${PRJ_STATUS} - | APPROVED | REVISIONS | ORIGINAL | DESCRIPTION | REV | ZONE | ${PRJ_LICENSE} | ${PRJ_NAME_LONG} | ${PCB_TITLE1} | ${PCB_TITLE2} | ${CAGE_CODE} | A3 | DWG. NO.
